# KiCad board 100p-keebored_OLD.kicad_pcb (continued)
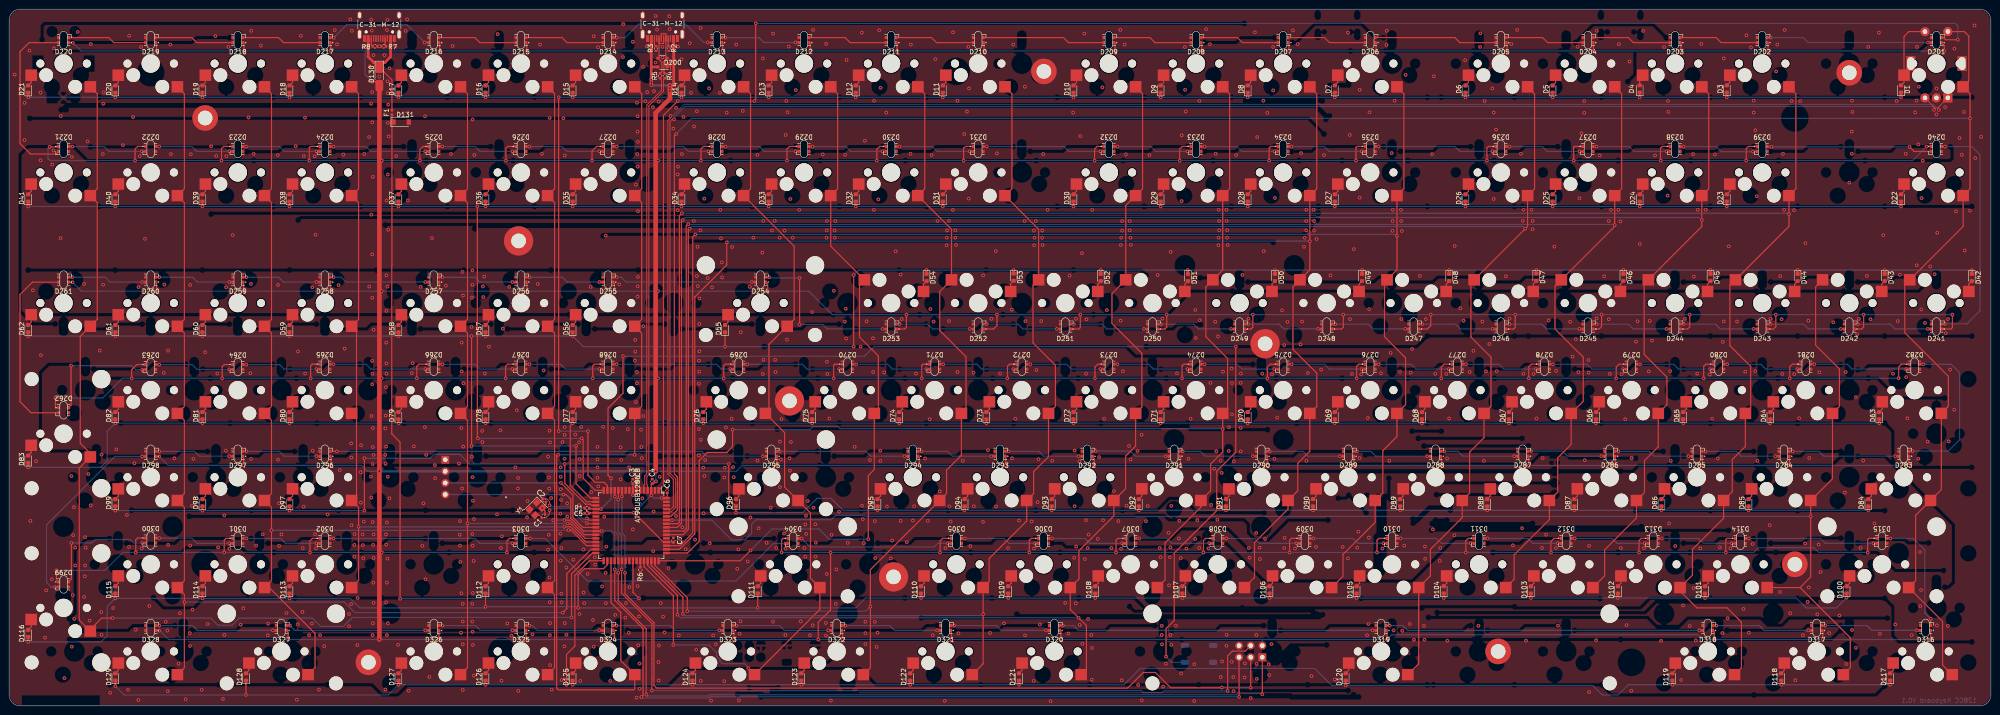
[diagram p0: board, top side]
## Placement (name value [footprint] x y rotation side) (continued)
SW127  SW_Push  [MXOnly-1U-Hotswap]  92.86 11.91 0 bottom
SW128  SW_Push  [MXOnly-2U-Hotswap]  59.53 11.91 0 bottom
SW129  SW_Push  [MXOnly-1U-Hotswap]  30.95 11.91 0 bottom
SW130  RotaryEncoder_Switch  [RotaryEncoder_Alps_EC11E-Switch_Vertical_H20mm]  421.45 140.48 90 bottom
Y1  JYJE 3TJ480000JYLBC  [Crystal_SMD_3225-4Pin_3.2x2.5mm]  115.18 43.08 225 top

## Footprints (pads in the part's own frame, mm; a bottom-side part is the same pattern mirrored in y, then rotated)
C_0402_1005Metric
  rrect 0.56x0.62 smd: 1(-0.48,0) 2(0.48,0)
Crystal_SMD_3225-4Pin_3.2x2.5mm
  rect 1.4x1.2 smd: 1(-1.1,-0.85) 2(1.1,-0.85) 3(1.1,0.85) 4(-1.1,0.85)
D_0603_1608Metric
  rrect 0.875x0.95 smd: 1(-0.787,0) 2(0.787,0)
D_0603_1608Metric#2
  rrect 2.5x1.7 smd: 1(-2,0) 2(2,0)
D_SOD-123
  rect 0.9x1.2 smd: 1(-1.65,0) 2(1.65,0)
Fuse_0402_1005Metric
  rrect 0.59x0.64 smd: 1(-0.485,0) 2(0.485,0)
MountingHole_3.2mm_M3_DIN965_Pad
  round 5.6 hole 3.2: 1(0,0)
MountingHole_3.2mm_M3_Pad
  round 6.4 hole 3.2: 1(0,0)
MXOnly-1.5U-Hotswap
  round 1.75 hole 1.75 unplated: (-5.08,0) (5.08,0)
  round 3 hole 3 unplated: (-3.81,2.54) (2.54,5.08)
  round 3.988 hole 3.988 unplated: (0,0)
  rect 2.55x2.5 smd far side: 1(-7.085,2.54) 2(5.842,5.08)
MXOnly-1.25U-Hotswap
  round 1.75 hole 1.75 unplated: (-5.08,0) (5.08,0)
  round 3 hole 3 unplated: (-3.81,2.54) (2.54,5.08)
  round 3.988 hole 3.988 unplated: (0,0)
  rect 2.55x2.5 smd far side: 1(-7.085,2.54) 2(5.842,5.08)
MXOnly-1.75U-Hotswap
  round 1.75 hole 1.75 unplated: (-5.08,0) (5.08,0)
  round 3 hole 3 unplated: (-3.81,2.54) (2.54,5.08)
  round 3.988 hole 3.988 unplated: (0,0)
  rect 2.55x2.5 smd far side: 1(-7.085,2.54) 2(5.842,5.08)
MXOnly-1U-Hotswap
  round 1.75 hole 1.75 unplated: (-5.08,0) (5.08,0)
  round 3 hole 3 unplated: (-3.81,2.54) (2.54,5.08)
  round 3.988 hole 3.988 unplated: (0,0)
  rect 2.55x2.5 smd far side: 1(-7.085,2.54) 2(5.842,5.08)
MXOnly-2.25U-Hotswap
  round 3.988 hole 3.988 unplated: (-11.938,-8.255) (0,0) (11.938,-8.255)
  round 3.048 hole 3.048 unplated: (-11.938,6.985) (11.938,6.985)
  round 1.75 hole 1.75 unplated: (-5.08,0) (5.08,0)
  round 3 hole 3 unplated: (-3.81,2.54) (2.54,5.08)
  rect 2.55x2.5 smd far side: 1(-7.085,2.54) 2(5.842,5.08)
MXOnly-2.75U-Hotswap
  round 3.988 hole 3.988 unplated: (-11.938,-8.255) (0,0) (11.938,-8.255)
  round 3.048 hole 3.048 unplated: (-11.938,6.985) (11.938,6.985)
  round 1.75 hole 1.75 unplated: (-5.08,0) (5.08,0)
  round 3 hole 3 unplated: (-3.81,2.54) (2.54,5.08)
  rect 2.55x2.5 smd far side: 1(-7.085,2.54) 2(5.842,5.08)
MXOnly-2U-Hotswap
  round 3.988 hole 3.988 unplated: (-11.938,-8.255) (0,0) (11.938,-8.255)
  round 3.048 hole 3.048 unplated: (-11.938,6.985) (11.938,6.985)
  round 1.75 hole 1.75 unplated: (-5.08,0) (5.08,0)
  round 3 hole 3 unplated: (-3.81,2.54) (2.54,5.08)
  rect 2.55x2.5 smd far side: 1(-7.085,2.54) 2(5.842,5.08)
MXOnly-2U-Hotswap-VerticalStabilizers
  round 3.048 hole 3.048 unplated: (-6.985,-11.938) (-6.985,11.938)
  round 1.75 hole 1.75 unplated: (-5.08,0) (5.08,0)
  round 3 hole 3 unplated: (-3.81,2.54) (2.54,5.08)
  round 3.988 hole 3.988 unplated: (0,0) (8.255,-11.938) (8.255,11.938)
  rect 2.55x2.5 smd far side: 1(-7.085,2.54) 2(5.842,5.08)
MXOnly-6.25U-Hotswap
  round 3.988 hole 3.988 unplated: (-50,-8.255) (0,0) (50,-8.255)
  round 3.048 hole 3.048 unplated: (-50,6.985) (50,6.985)
  round 1.75 hole 1.75 unplated: (-5.08,0) (5.08,0)
  round 3 hole 3 unplated: (-3.81,2.54) (2.54,5.08)
  rect 2.55x2.5 smd far side: 1(-7.085,2.54) 2(5.842,5.08)
PinHeader_2x03_P2.54mm_Vertical
  rect 1.7x1.7 hole 1: 1(0,0)
  oval 1.7x1.7 hole 1: 2(2.54,0) 3(0,-2.54) 4(2.54,-2.54) 5(0,-5.08) 6(2.54,-5.08)
R_0402_1005Metric
  rrect 0.54x0.64 smd: 1(-0.51,0) 2(0.51,0)
RotaryEncoder_Alps_EC11E-Switch_Vertical_H20mm
  rect 2x2 hole 1: A(-7.5,2.5)
  round 2 hole 1: B(-7.5,-2.5) C(-7.5,0) S1(7,-2.5) S2(7,2.5)
  rect 3.2x2 hole 2.8x1.5: MP(0,-5.6) MP(0,5.6)
SOT-143
  rect 0.7x1 smd: 1(-1,0.75)
  rect 0.7x0.6 smd: 2(-1,-0.95) 3(1,-0.95) 4(1,0.95)
SSD1306 128x32
  rect 1.7x1.7 hole 1: 1(0,-3.81)
  round 1.7 hole 1: 2(0,-1.27) 3(0,1.27) 4(0,3.81)
SW_Alps_SKQGAKE010
  rrect 1.8x1.1 smd: 1(-3.1,1.85) 2(3.1,1.85) 3(-3.1,-1.85) 4(3.1,-1.85)
TQFP-64_14x14mm_P0.8mm
  rect 1.5x0.55 smd: 1(-7.7,6) 2(-7.7,5.2) 3(-7.7,4.4) 4(-7.7,3.6) 5(-7.7,2.8) 6(-7.7,2) 7(-7.7,1.2) 8(-7.7,0.4) 9(-7.7,-0.4) 10(-7.7,-1.2) 11(-7.7,-2) 12(-7.7,-2.8) 13(-7.7,-3.6) 14(-7.7,-4.4) 15(-7.7,-5.2) 16(-7.7,-6) 33(7.7,-6) 34(7.7,-5.2) 35(7.7,-4.4) 36(7.7,-3.6) 37(7.7,-2.8) 38(7.7,-2) 39(7.7,-1.2) 40(7.7,-0.4) 41(7.7,0.4) 42(7.7,1.2) 43(7.7,2) 44(7.7,2.8) 45(7.7,3.6) 46(7.7,4.4) 47(7.7,5.2) 48(7.7,6)
  rect 0.55x1.5 smd: 17(-6,-7.7) 18(-5.2,-7.7) 19(-4.4,-7.7) 20(-3.6,-7.7) 21(-2.8,-7.7) 22(-2,-7.7) 23(-1.2,-7.7) 24(-0.4,-7.7) 25(0.4,-7.7) 26(1.2,-7.7) 27(2,-7.7) 28(2.8,-7.7) 29(3.6,-7.7) 30(4.4,-7.7) 31(5.2,-7.7) 32(6,-7.7) 49(6,7.7) 50(5.2,7.7) 51(4.4,7.7) 52(3.6,7.7) 53(2.8,7.7) 54(2,7.7) 55(1.2,7.7) 56(0.4,7.7) 57(-0.4,7.7) 58(-1.2,7.7) 59(-2,7.7) 60(-2.8,7.7) 61(-3.6,7.7) 62(-4.4,7.7) 63(-5.2,7.7) 64(-6,7.7)
USB_C_Receptacle_HRO_TYPE-C-31-M-12
  round 0.65 hole 0.65 unplated: (-2.89,2.6) (2.89,2.6)
  rect 0.6x1.45 smd: A1(-3.25,4.045) A4(-2.45,4.045) A9(2.45,4.045) A12(3.25,4.045) B1(3.25,4.045) B4(2.45,4.045) B9(-2.45,4.045) B12(-3.25,4.045)
  rect 0.3x1.45 smd: A5(-1.25,4.045) A6(-0.25,4.045) A7(0.25,4.045) A8(1.25,4.045) B5(1.75,4.045) B6(0.75,4.045) B7(-0.75,4.045) B8(-1.75,4.045)
  oval 1x2.1 hole 0.6x1.7: S1(-4.32,3.13) S1(4.32,3.13)
  oval 1x1.6 hole 0.6x1.2: S1(-4.32,-1.05) S1(4.32,-1.05)
WS2812B-2020 ShineThrough
  rrect 0.6x0.7 smd: 1(1.125,-0.55) 2(-1.125,-0.55) 3(-1.125,0.55) 4(1.125,0.55)

## Nets
+5V: AT90USB1286.3 AT90USB1286.8 AT90USB1286.21 AT90USB1286.52 AT90USB1286.64 C3.1 C4.1 C5.1 C6.1 C7.1 D130.2 D200.4 D201.1 D202.1 D203.1 D204.1 D205.1 D206.1 D207.1 D208.1 D209.1 D210.1 D211.1 D212.1 D213.1 D214.1 D215.1 D216.1 D217.1 D218.1 D219.1 D220.1 D221.1 D222.1 D223.1 D224.1 D225.1 D226.1 D227.1 D228.1 D229.1 D230.1 D231.1 D232.1 D233.1 D234.1 D235.1 D236.1 D237.1 D238.1 D239.1 D240.1 D241.1 D242.1 D243.1 D244.1 D245.1 D246.1 D247.1 D248.1 D249.1 D250.1 D251.1 D252.1 D253.1 D254.1 D255.1 D256.1 D257.1 D258.1 D259.1 D260.1 D261.1 D262.1 D263.1 D264.1 D265.1 D266.1 D267.1 D268.1 D269.1 D270.1 D271.1 D272.1 D273.1 D274.1 D275.1 D276.1 D277.1 D278.1 D279.1 D280.1 D281.1 D282.1 D283.1 D284.1 D285.1 D286.1 D287.1 D288.1 D289.1 D290.1 D291.1 D292.1 D293.1 D294.1 D295.1 D296.1 D297.1 D298.1 D299.1 D300.1 D301.1 D302.1 D303.1 D304.1 D305.1 D306.1 D307.1 D308.1 D309.1 D310.1 D311.1 D312.1 D313.1 D314.1 D315.1 D316.1 D317.1 D318.1 D319.1 D320.1 D321.1 D322.1 D323.1 D324.1 D325.1 D326.1 D327.1 D328.1 ISP.2 J2.A4 J2.A9 J2.B4 J2.B9 OLED.2 R1.1
GND: AT90USB1286.6 AT90USB1286.22 AT90USB1286.53 AT90USB1286.63 C1.1 C2.1 C3.2 C4.2 C5.2 C6.2 C7.2 C8.2 C-31-M-12.A1 C-31-M-12.A12 C-31-M-12.B1 C-31-M-12.B12 D131.2 D200.1 D201.3 D202.3 D203.3 D204.3 D205.3 D206.3 D207.3 D208.3 D209.3 D210.3 D211.3 D212.3 D213.3 D214.3 D215.3 D216.3 D217.3 D218.3 D219.3 D220.3 D221.3 D222.3 D223.3 D224.3 D225.3 D226.3 D227.3 D228.3 D229.3 D230.3 D231.3 D232.3 D233.3 D234.3 D235.3 D236.3 D237.3 D238.3 D239.3 D240.3 D241.3 D242.3 D243.3 D244.3 D245.3 D246.3 D247.3 D248.3 D249.3 D250.3 D251.3 D252.3 D253.3 D254.3 D255.3 D256.3 D257.3 D258.3 D259.3 D260.3 D261.3 D262.3 D263.3 D264.3 D265.3 D266.3 D267.3 D268.3 D269.3 D270.3 D271.3 D272.3 D273.3 D274.3 D275.3 D276.3 D277.3 D278.3 D279.3 D280.3 D281.3 D282.3 D283.3 D284.3 D285.3 D286.3 D287.3 D288.3 D289.3 D290.3 D291.3 D292.3 D293.3 D294.3 D295.3 D296.3 D297.3 D298.3 D299.3 D300.3 D301.3 D302.3 D303.3 D304.3 D305.3 D306.3 D307.3 D308.3 D309.3 D310.3 D311.3 D312.3 D313.3 D314.3 D315.3 D316.3 D317.3 D318.3 D319.3 D320.3 D321.3 D322.3 D323.3 D324.3 D325.3 D326.3 D327.3 D328.3 ISP.6 J2.A1 J2.A12 J2.B1 J2.B12 OLED.1 R2.2 R3.2 R6.1 R7.2 R8.2 RESET.1 RESET.2 SW130.C Y1.2 Y1.4
/xtal+: AT90USB1286.24 C1.2 Y1.3
/xtal-: AT90USB1286.23 C2.2 Y1.1
Col1: AT90USB1286.59 SW1.2 SW22.2 SW42.2 SW63.2 SW84.2 SW100.2 SW117.2 SW130.S2
Col2: AT90USB1286.58 SW43.2 SW64.2 SW85.2 SW101.2 SW118.2
Col3: AT90USB1286.57 SW3.2 SW23.2 SW44.2 SW65.2 SW86.2 SW102.2 SW119.2
Col4: AT90USB1286.56 SW4.2 SW24.2 SW45.2 SW66.2 SW87.2 SW103.2
Col5: AT90USB1286.55 SW5.2 SW25.2 SW46.2 SW67.2 SW88.2 SW104.2
Col6: AT90USB1286.54 SW6.2 SW26.2 SW47.2 SW68.2 SW89.2 SW105.2 SW120.2
Col7: AT90USB1286.51 SW7.2 SW27.2 SW48.2 SW69.2 SW90.2 SW106.2
Col8: AT90USB1286.50 SW8.2 SW28.2 SW49.2 SW70.2 SW91.2 SW107.2
Col9: AT90USB1286.49 SW9.2 SW29.2 SW50.2 SW71.2 SW92.2 SW108.2
Col10: AT90USB1286.45 SW10.2 SW30.2 SW51.2 SW72.2 SW93.2 SW109.2 SW121.2
Col11: AT90USB1286.46 SW11.2 SW31.2 SW52.2 SW73.2 SW94.2 SW110.2 SW122.2
Col12: AT90USB1286.47 SW12.2 SW32.2 SW53.2 SW74.2 SW95.2 SW123.2
Col13: AT90USB1286.48 SW13.2 SW33.2 SW54.2 SW75.2
Col14: AT90USB1286.44 SW14.2 SW34.2 SW55.2 SW76.2 SW96.2 SW111.2 SW124.2
Col15: AT90USB1286.35 SW15.2 SW35.2 SW56.2 SW77.2 SW125.2
Col16: AT90USB1286.27 SW16.2 SW36.2 SW57.2 SW78.2 SW112.2 SW126.2
Col17: AT90USB1286.28 SW17.2 SW37.2 SW58.2 SW79.2 SW127.2
Col18: AT90USB1286.29 SW18.2 SW38.2 SW59.2 SW80.2 SW97.2 SW113.2
Col19: AT90USB1286.30 SW19.2 SW39.2 SW60.2 SW81.2 SW98.2 SW114.2 SW128.2
Col20: AT90USB1286.31 SW20.2 SW40.2 SW61.2 SW82.2 SW99.2 SW115.2 SW129.2
Col21: AT90USB1286.32 SW21.2 SW41.2 SW62.2 SW83.2 SW116.2
D+: AT90USB1286.5 R5.2
D-: AT90USB1286.4 R4.2
enc+: AT90USB1286.61 SW130.A
enc-: AT90USB1286.60 SW130.B
extraUSBSense: AT90USB1286.41 D131.1 F1.1
LED Input: AT90USB1286.1 D201.4
MISO: AT90USB1286.13 ISP.1
MOSI: AT90USB1286.12 ISP.4
RESET: AT90USB1286.20 R1.2 RESET.4
Row1: AT90USB1286.15 D1.1 D3.1 D4.1 D5.1 D6.1 D7.1 D8.1 D9.1 D10.1 D11.1 D12.1 D13.1 D14.1 D15.1 D16.1 D17.1 D18.1 D19.1 D20.1 D21.1
Row2: AT90USB1286.16 D22.1 D23.1 D24.1 D25.1 D26.1 D27.1 D28.1 D29.1 D30.1 D31.1 D32.1 D33.1 D34.1 D35.1 D36.1 D37.1 D38.1 D39.1 D40.1 D41.1
Row3: AT90USB1286.17 D42.1 D43.1 D44.1 D45.1 D46.1 D47.1 D48.1 D49.1 D50.1 D51.1 D52.1 D53.1 D54.1 D55.1 D56.1 D57.1 D58.1 D59.1 D60.1 D61.1 D62.1
Row4: AT90USB1286.18 D63.1 D64.1 D65.1 D66.1 D67.1 D68.1 D69.1 D70.1 D71.1 D72.1 D73.1 D74.1 D75.1 D76.1 D77.1 D78.1 D79.1 D80.1 D81.1 D82.1 D83.1
Row5: AT90USB1286.19 D84.1 D85.1 D86.1 D87.1 D88.1 D89.1 D90.1 D91.1 D92.1 D93.1 D94.1 D95.1 D96.1 D97.1 D98.1 D99.1
Row6: AT90USB1286.34 D100.1 D101.1 D102.1 D103.1 D104.1 D105.1 D106.1 D107.1 D108.1 D109.1 D110.1 D111.1 D112.1 D113.1 D114.1 D115.1 D116.1
Row7: AT90USB1286.33 D117.1 D118.1 D119.1 D120.1 D121.1 D122.1 D123.1 D124.1 D125.1 D126.1 D127.1 D128.1 D129.1
SCK: AT90USB1286.11 ISP.3
SCL: AT90USB1286.25 OLED.3
SDA: AT90USB1286.26 ISP.5 OLED.4
sw1Out: D1.2 SW1.1 SW130.S1
Net-(C8-Pad1): AT90USB1286.7 C8.1
Net-(D3-Pad2): D3.2 SW3.1
Net-(D4-Pad2): D4.2 SW4.1
Net-(D5-Pad2): D5.2 SW5.1
Net-(D6-Pad2): D6.2 SW6.1
Net-(D7-Pad2): D7.2 SW7.1
Net-(D8-Pad2): D8.2 SW8.1
Net-(D9-Pad2): D9.2 SW9.1
Net-(D10-Pad2): D10.2 SW10.1
Net-(D11-Pad2): D11.2 SW11.1
Net-(D12-Pad2): D12.2 SW12.1
Net-(D13-Pad2): D13.2 SW13.1
Net-(D14-Pad2): D14.2 SW14.1
Net-(D15-Pad2): D15.2 SW15.1
Net-(D16-Pad2): D16.2 SW16.1
Net-(D17-Pad2): D17.2 SW17.1
Net-(D18-Pad2): D18.2 SW18.1
Net-(D19-Pad2): D19.2 SW19.1
Net-(D20-Pad2): D20.2 SW20.1
Net-(D21-Pad2): D21.2 SW21.1
Net-(D22-Pad2): D22.2 SW22.1
Net-(D23-Pad2): D23.2 SW23.1
Net-(D24-Pad2): D24.2 SW24.1
Net-(D25-Pad2): D25.2 SW25.1
Net-(D26-Pad2): D26.2 SW26.1
Net-(D27-Pad2): D27.2 SW27.1
Net-(D28-Pad2): D28.2 SW28.1
Net-(D29-Pad2): D29.2 SW29.1
Net-(D30-Pad2): D30.2 SW30.1
Net-(D31-Pad2): D31.2 SW31.1
Net-(D32-Pad2): D32.2 SW32.1
Net-(D33-Pad2): D33.2 SW33.1
Net-(D34-Pad2): D34.2 SW34.1
Net-(D35-Pad2): D35.2 SW35.1
Net-(D36-Pad2): D36.2 SW36.1
Net-(D37-Pad2): D37.2 SW37.1
Net-(D38-Pad2): D38.2 SW38.1
Net-(D39-Pad2): D39.2 SW39.1
Net-(D40-Pad2): D40.2 SW40.1
Net-(D41-Pad2): D41.2 SW41.1
Net-(D42-Pad2): D42.2 SW42.1
Net-(D43-Pad2): D43.2 SW43.1
Net-(D44-Pad2): D44.2 SW44.1
Net-(D45-Pad2): D45.2 SW45.1
Net-(D46-Pad2): D46.2 SW46.1
Net-(D47-Pad2): D47.2 SW47.1
Net-(D48-Pad2): D48.2 SW48.1
Net-(D49-Pad2): D49.2 SW49.1
Net-(D50-Pad2): D50.2 SW50.1
Net-(D51-Pad2): D51.2 SW51.1
Net-(D52-Pad2): D52.2 SW52.1
Net-(D53-Pad2): D53.2 SW53.1
Net-(D54-Pad2): D54.2 SW54.1
Net-(D55-Pad2): D55.2 SW55.1
Net-(D56-Pad2): D56.2 SW56.1
Net-(D57-Pad2): D57.2 SW57.1
Net-(D58-Pad2): D58.2 SW58.1
Net-(D59-Pad2): D59.2 SW59.1
Net-(D60-Pad2): D60.2 SW60.1
Net-(D61-Pad2): D61.2 SW61.1
Net-(D62-Pad2): D62.2 SW62.1
Net-(D63-Pad2): D63.2 SW63.1
Net-(D64-Pad2): D64.2 SW64.1
Net-(D65-Pad2): D65.2 SW65.1
Net-(D66-Pad2): D66.2 SW66.1
Net-(D67-Pad2): D67.2 SW67.1
Net-(D68-Pad2): D68.2 SW68.1
Net-(D69-Pad2): D69.2 SW69.1
Net-(D70-Pad2): D70.2 SW70.1
Net-(D71-Pad2): D71.2 SW71.1
Net-(D72-Pad2): D72.2 SW72.1
Net-(D73-Pad2): D73.2 SW73.1
Net-(D74-Pad2): D74.2 SW74.1
Net-(D75-Pad2): D75.2 SW75.1
Net-(D76-Pad2): D76.2 SW76.1
Net-(D77-Pad2): D77.2 SW77.1
Net-(D78-Pad2): D78.2 SW78.1
Net-(D79-Pad2): D79.2 SW79.1
Net-(D80-Pad2): D80.2 SW80.1
Net-(D81-Pad2): D81.2 SW81.1
Net-(D82-Pad2): D82.2 SW82.1
Net-(D83-Pad2): D83.2 SW83.1
Net-(D84-Pad2): D84.2 SW84.1
Net-(D85-Pad2): D85.2 SW85.1
Net-(D86-Pad2): D86.2 SW86.1
Net-(D87-Pad2): D87.2 SW87.1
Net-(D88-Pad2): D88.2 SW88.1
Net-(D89-Pad2): D89.2 SW89.1
Net-(D90-Pad2): D90.2 SW90.1
Net-(D91-Pad2): D91.2 SW91.1
Net-(D92-Pad2): D92.2 SW92.1
Net-(D93-Pad2): D93.2 SW93.1
Net-(D94-Pad2): D94.2 SW94.1
Net-(D95-Pad2): D95.2 SW95.1
Net-(D96-Pad2): D96.2 SW96.1
Net-(D97-Pad2): D97.2 SW97.1
Net-(D98-Pad2): D98.2 SW98.1
Net-(D99-Pad2): D99.2 SW99.1
Net-(D100-Pad2): D100.2 SW100.1
Net-(D101-Pad2): D101.2 SW101.1
Net-(D102-Pad2): D102.2 SW102.1
Net-(D103-Pad2): D103.2 SW103.1
Net-(D104-Pad2): D104.2 SW104.1
Net-(D105-Pad2): D105.2 SW105.1
Net-(D106-Pad2): D106.2 SW106.1
Net-(D107-Pad2): D107.2 SW107.1
Net-(D108-Pad2): D108.2 SW108.1
Net-(D109-Pad2): D109.2 SW109.1
Net-(D110-Pad2): D110.2 SW110.1
Net-(D111-Pad2): D111.2 SW111.1
Net-(D112-Pad2): D112.2 SW112.1
Net-(D113-Pad2): D113.2 SW113.1
Net-(D114-Pad2): D114.2 SW114.1
Net-(D115-Pad2): D115.2 SW115.1
Net-(D116-Pad2): D116.2 SW116.1
Net-(D117-Pad2): D117.2 SW117.1
Net-(D118-Pad2): D118.2 SW118.1
Net-(D119-Pad2): D119.2 SW119.1
Net-(D120-Pad2): D120.2 SW120.1
Net-(D121-Pad2): D121.2 SW121.1
Net-(D122-Pad2): D122.2 SW122.1
Net-(D123-Pad2): D123.2 SW123.1
Net-(D124-Pad2): D124.2 SW124.1
Net-(D125-Pad2): D125.2 SW125.1
Net-(D126-Pad2): D126.2 SW126.1
Net-(D127-Pad2): D127.2 SW127.1
Net-(D128-Pad2): D128.2 SW128.1
Net-(D129-Pad2): D129.2 SW129.1
Net-(D130-Pad1): D130.1 F1.2
Net-(D200-Pad2): D200.2 J2.A7 J2.B7 R4.1
Net-(D200-Pad3): D200.3 J2.A6 J2.B6 R5.1
Net-(D201-Pad2): D201.2 D202.4
Net-(D202-Pad2): D202.2 D203.4
Net-(D203-Pad2): D203.2 D204.4
Net-(D204-Pad2): D204.2 D205.4
Net-(D205-Pad2): D205.2 D206.4
Net-(D206-Pad2): D206.2 D207.4
Net-(D207-Pad2): D207.2 D208.4
Net-(D208-Pad2): D208.2 D209.4
Net-(D209-Pad2): D209.2 D210.4
Net-(D210-Pad2): D210.2 D211.4
Net-(D211-Pad2): D211.2 D212.4
Net-(D212-Pad2): D212.2 D213.4
Net-(D213-Pad2): D213.2 D214.4
Net-(D214-Pad2): D214.2 D215.4
Net-(D215-Pad2): D215.2 D216.4
Net-(D216-Pad2): D216.2 D217.4
Net-(D217-Pad2): D217.2 D218.4
Net-(D218-Pad2): D218.2 D219.4
Net-(D219-Pad2): D219.2 D220.4
Net-(D220-Pad2): D220.2 D221.4
Net-(D221-Pad2): D221.2 D222.4
Net-(D222-Pad2): D222.2 D223.4
Net-(D223-Pad2): D223.2 D224.4
Net-(D224-Pad2): D224.2 D225.4
Net-(D225-Pad2): D225.2 D226.4
Net-(D226-Pad2): D226.2 D227.4
Net-(D227-Pad2): D227.2 D228.4
Net-(D228-Pad2): D228.2 D229.4
Net-(D229-Pad2): D229.2 D230.4
Net-(D230-Pad2): D230.2 D231.4
Net-(D231-Pad2): D231.2 D232.4
Net-(D232-Pad2): D232.2 D233.4
Net-(D233-Pad2): D233.2 D234.4
Net-(D234-Pad2): D234.2 D235.4
Net-(D235-Pad2): D235.2 D236.4
Net-(D236-Pad2): D236.2 D237.4
Net-(D237-Pad2): D237.2 D238.4
Net-(D238-Pad2): D238.2 D239.4
Net-(D239-Pad2): D239.2 D240.4
Net-(D240-Pad2): D240.2 D241.4
Net-(D241-Pad2): D241.2 D242.4
Net-(D242-Pad2): D242.2 D243.4
Net-(D243-Pad2): D243.2 D244.4
Net-(D244-Pad2): D244.2 D245.4
Net-(D245-Pad2): D245.2 D246.4
Net-(D246-Pad2): D246.2 D247.4
Net-(D247-Pad2): D247.2 D248.4
Net-(D248-Pad2): D248.2 D249.4
Net-(D249-Pad2): D249.2 D250.4
Net-(D250-Pad2): D250.2 D251.4
Net-(D251-Pad2): D251.2 D252.4
Net-(D252-Pad2): D252.2 D253.4
Net-(D253-Pad2): D253.2 D254.4
Net-(D254-Pad2): D254.2 D255.4
Net-(D255-Pad2): D255.2 D256.4
Net-(D256-Pad2): D256.2 D257.4
Net-(D257-Pad2): D257.2 D258.4
Net-(D258-Pad2): D258.2 D259.4
Net-(D259-Pad2): D259.2 D260.4
Net-(D260-Pad2): D260.2 D261.4
Net-(D261-Pad2): D261.2 D262.4
Net-(D262-Pad2): D262.2 D263.4
Net-(D263-Pad2): D263.2 D264.4
Net-(D264-Pad2): D264.2 D265.4
Net-(D265-Pad2): D265.2 D266.4
Net-(D266-Pad2): D266.2 D267.4
Net-(D267-Pad2): D267.2 D268.4
Net-(D268-Pad2): D268.2 D269.4
Net-(D269-Pad2): D269.2 D270.4
Net-(D270-Pad2): D270.2 D271.4
Net-(D271-Pad2): D271.2 D272.4
Net-(D272-Pad2): D272.2 D273.4
Net-(D273-Pad2): D273.2 D274.4
Net-(D274-Pad2): D274.2 D275.4
Net-(D275-Pad2): D275.2 D276.4
Net-(D276-Pad2): D276.2 D277.4
Net-(D277-Pad2): D277.2 D278.4
Net-(D278-Pad2): D278.2 D279.4
Net-(D279-Pad2): D279.2 D280.4
Net-(D280-Pad2): D280.2 D281.4
Net-(D281-Pad2): D281.2 D282.4
Net-(D282-Pad2): D282.2 D283.4
Net-(D283-Pad2): D283.2 D284.4
Net-(D284-Pad2): D284.2 D285.4
Net-(D285-Pad2): D285.2 D286.4
Net-(D286-Pad2): D286.2 D287.4
Net-(D287-Pad2): D287.2 D288.4
Net-(D288-Pad2): D288.2 D289.4
Net-(D289-Pad2): D289.2 D290.4
Net-(D290-Pad2): D290.2 D291.4
Net-(D291-Pad2): D291.2 D292.4
Net-(D292-Pad2): D292.2 D293.4
Net-(D293-Pad2): D293.2 D294.4
Net-(D294-Pad2): D294.2 D295.4
Net-(D295-Pad2): D295.2 D296.4
Net-(D296-Pad2): D296.2 D297.4
Net-(D297-Pad2): D297.2 D298.4
Net-(D298-Pad2): D298.2 D299.4
Net-(D299-Pad2): D299.2 D300.4
Net-(D300-Pad2): D300.2 D301.4
Net-(D301-Pad2): D301.2 D302.4
Net-(D302-Pad2): D302.2 D303.4
Net-(D303-Pad2): D303.2 D304.4
Net-(D304-Pad2): D304.2 D305.4
Net-(D305-Pad2): D305.2 D306.4
Net-(D306-Pad2): D306.2 D307.4
Net-(D307-Pad2): D307.2 D308.4
Net-(D308-Pad2): D308.2 D309.4
Net-(D309-Pad2): D309.2 D310.4
Net-(D310-Pad2): D310.2 D311.4
Net-(D311-Pad2): D311.2 D312.4
Net-(D312-Pad2): D312.2 D313.4
Net-(D313-Pad2): D313.2 D314.4
Net-(D314-Pad2): D314.2 D315.4
Net-(D315-Pad2): D315.2 D316.4
Net-(D316-Pad2): D316.2 D317.4
Net-(D317-Pad2): D317.2 D318.4
Net-(D318-Pad2): D318.2 D319.4
Net-(D319-Pad2): D319.2 D320.4
Net-(D320-Pad2): D320.2 D321.4
Net-(D321-Pad2): D321.2 D322.4
Net-(D322-Pad2): D322.2 D323.4
Net-(D323-Pad2): D323.2 D324.4
Net-(D324-Pad2): D324.2 D325.4
Net-(D325-Pad2): D325.2 D326.4
Net-(D326-Pad2): D326.2 D327.4
Net-(D327-Pad2): D327.2 D328.4
Net-(D328-Pad2): D328.2
Net-(J2-PadA5): J2.A5 R2.1
Net-(J2-PadB5): J2.B5 R3.1
Net-(J3-PadA4): C-31-M-12.A4 C-31-M-12.A9 C-31-M-12.B4 C-31-M-12.B9
Net-(J3-PadA5): C-31-M-12.A5 R7.1
Net-(J3-PadB5): C-31-M-12.B5 R8.1
Net-(R6-Pad2): AT90USB1286.43 R6.2

Pads without a net: AT90USB1286 2 9 10 14 36 37 38 39 40 42 62; C-31-M-12 A6 A7 A8 B6 B7 B8 S1; J2 A8 B8 S1; REF** 1; REF**#2 1; REF**#3 1; REF**#4 1; REF**#5 1; REF**#6 1; REF**#7 1; REF**#8 1; REF**#9 1; REF**#10 1; RESET 3; SW130 MP

## Via types
v1: diameter 0.8, hole 0.4, Top to Bottom, 1851 vias

## Routing (per net, layer and track width the routed paths; a pad name or vN(x,y) marks a point on that pad's centre or on a via; arc(x,y) is an arc through that point)
+5V: length 3523
  Top w0.25: v1(253.14,85.57) 253.14,82.82 252.74,82.42 251.09,82.42 ; v1(310.88,85.57) 310.88,83.19 310.11,82.42 308.24,82.42 ; 241.57,145.07 241.83,144.81 v1(241.83,143.24) ; 293.95,54.59 294.07,54.47 v1(294.07,52.61) ; 48.93,74.66 47.06,74.66 46.58,74.19 v1(46.58,71.66) ; 244.18,36.64 242.46,36.64 242.05,36.24 v1(242.05,33.56) ; 263.23,36.64 261.65,36.64 261.18,36.16 v1(261.18,33.56) ; v1(237.37,119.28) 237.37,121.81 237.92,122.36 239.42,122.36 ; v1(275.54,119.28) 275.54,122.03 275.87,122.36 277.51,122.36 ; v1(406.42,33.56) 406.42,36.31 406.75,36.64 408.47,36.64 ; v1(142.68,45.44) 142.68,45.44 AT90USB1286.64 143.91,45.62 C6.1 ; v1(65.93,71.66) 65.93,74.41 66.26,74.74 67.98,74.74 ; 363.23,122.36 361.51,122.36 361.11,121.96 361.11,119.35 v1(361.18,119.28) ; v1(356.42,33.56) 356.42,36.16 356.9,36.64 358.47,36.64 ; v1(413.2,71.66) 413.2,74.11 413.82,74.74 415.62,74.74 ; 93.94,92.69 94.06,92.57 v1(94.06,90.71) ; 270.14,82.42 271.57,82.42 271.97,82.82 v1(271.97,85.57) ; 12.98,92.69 13.03,92.64 v1(13.84,92.64) ; v1(158.49,14.51) 158.49,16.23 158.23,16.49 ; D130.2 80.08,136.54 v1(79.39,136.54) ; 353.71,74.74 352.06,74.74 351.44,74.11 v1(351.44,71.66) ; 301.09,16.49 301.28,16.3 v1(301.28,14.51) ; 327.29,145.07 327.55,144.81 v1(327.55,143.24) ; 384.43,145.07 384.62,144.88 v1(384.62,143.24) ; v1(47.03,33.56) 47.03,36.24 47.43,36.64 48.93,36.64 ; 112.99,92.69 113.25,92.42 v1(113.25,90.71) ; 260.62,145.07 260.81,144.88 v1(260.81,143.24) ; v1(165.86,90.71) 165.86,92.2 165.37,92.69 ; 313,54.59 313.19,54.4 v1(313.19,52.61) ; 10.83,122.36 10.73,122.26 v1(8.86,122.26) ; 155.85,145.07 156.04,144.88 v1(156.04,143.24) ; v1(51.27,90.71) 51.27,92.5 51.08,92.69 ; v1(298.9,143.24) 298.9,144.88 298.71,145.07 ; 422.53,82.42 424.63,82.42 424.95,82.74 v1(424.95,85.57) ; 274.9,54.59 275.09,54.4 v1(275.09,52.61) ; 403.48,82.42 405.13,82.42 405.53,82.82 v1(405.53,85.57) ; v1(299.13,33.56) 299.13,36.24 299.53,36.64 301.33,36.64 ; v1(342.14,119.28) 342.14,122.18 342.31,122.36 344.19,122.36 ; 70.13,54.59 70.39,54.32 v1(70.39,52.61) ; v1(108.64,119.28) 108.64,121.96 109.04,122.36 110.84,122.36 ; AT90USB1286.21 129.36,42.24 ; AT90USB1286.21 128.27,42.19 ; AT90USB1286.21 129.6,42.24 129.62,42.26 v1(136.61,42.26) 143.03,35.84 AT90USB1286.52 145.17,35.84 C7.1 ; AT90USB1286.21 126.95,42.24 C5.1 126.83,42.24 R1.1 ; v1(256.49,71.66) 256.49,74.34 256.89,74.74 258.47,74.74 ; 110.84,36.64 109.41,36.64 108.86,36.09 v1(108.86,33.56) ; 10.83,27.12 10.35,27.6 v1(10.35,29.62) ; 48.93,122.36 46.91,122.36 46.43,121.88 v1(46.43,119.28) ; v1(140.41,46.06) 140.42,46.07 AT90USB1286.3 140.42,48.42 C4.1 140.98,48.63 v1(141.45,49.1) ; v1(280,33.56) 280,36.24 280.4,36.64 282.28,36.64 ; 32.03,145.07 32.22,144.88 v1(32.22,143.24) ; 167.75,54.59 167.87,54.47 v1(167.87,52.61) ; v1(127.47,119.28) 127.47,121.36 128.46,122.36 129.89,122.36 ; 255.85,54.59 256.12,54.32 v1(256.12,52.61) ; 239.42,74.74 238.07,74.74 237.44,74.11 v1(237.44,71.66) ; v1(375.4,33.56) 375.4,36.39 375.65,36.64 377.52,36.64 ; v1(26.79,71.66) 26.79,73.52 27.94,74.66 29.88,74.66 ; 212.99,82.42 215.24,82.42 216.01,83.19 v1(216.01,85.57) ; 315.61,74.74 313.81,74.74 313.19,74.11 v1(313.19,71.66) ; 10.83,65.21 10.32,65.21 10.12,65.41 v1(10.12,67.34) ; 172.75,122.36 170.67,122.36 170.1,121.79 v1(170.1,119.28) ; 277.51,74.74 275.79,74.74 275.17,74.11 v1(275.17,71.66) ; v1(132.38,14.51) 132.38,16.15 132.04,16.49 ; 339.42,36.64 337.85,36.64 337.15,35.94 v1(337.15,33.56) ; v1(294.51,119.28) 294.51,122.11 294.77,122.36 296.56,122.36 ; 212.99,145.07 213.18,144.88 v1(213.18,143.24) ; v1(415.43,52.61) 415.44,52.62 415.44,54.54 415.39,54.59 ; v1(89.81,119.28) 89.81,121.66 90.51,122.36 91.79,122.36 ; v1(113.18,143.24) 113.18,144.88 112.99,145.07 ; v1(132.38,90.71) 132.38,92.35 132.04,92.69 ; 182.04,16.49 182.23,16.3 v1(182.23,14.51) ; v1(32.82,54.54) 32.08,54.54 32.03,54.59 ; v1(323.16,119.28) 323.16,122.03 323.49,122.36 325.14,122.36 ; 110.84,74.74 109.04,74.74 108.57,74.26 v1(108.57,71.66) ; 93.94,145.07 94.13,144.88 v1(94.13,143.24) ; 346.34,82.42 347.69,82.42 348.24,82.97 v1(348.24,85.57) ; v1(370.26,52.61) 370.26,54.47 370.15,54.59 ; v1(294.66,71.66) 294.66,74.26 295.14,74.74 296.56,74.74 ; v1(346.45,143.24) 346.45,144.95 346.34,145.07 ; 220.37,74.74 218.79,74.74 218.32,74.26 v1(218.32,71.66) ; v1(279.85,143.24) 279.85,144.88 279.66,145.07 ; v1(217.95,52.61) 217.95,54.4 217.76,54.59 ; v1(65.63,119.28) 65.63,122.11 65.88,122.36 67.98,122.36 ; 182.27,74.74 180.55,74.74 180.3,74.48 v1(180.3,71.66) ; v1(223.08,33.56) 223.08,36.24 223.48,36.64 225.13,36.64 ; 334.66,74.74 332.86,74.74 332.31,74.19 v1(332.31,71.66) ; 191.8,122.36 190.37,122.36 189.75,121.73 v1(189.75,119.28) ; v1(291.76,85.57) 291.76,82.82 291.36,82.42 289.19,82.42 ; v1(379.86,119.28) 379.86,121.88 380.34,122.36 382.28,122.36 ; v1(13.92,145.02) 13.03,145.02 12.98,145.07 ; v1(230,14.51) 230,16.15 229.66,16.49 ; v1(420.19,14.51) 420.2,14.52 420.2,16.44 420.15,16.49 ; 365.38,145.07 365.57,144.88 v1(365.57,143.24) ; 174.9,145.07 175.16,144.81 v1(175.16,143.24) ; v1(423.17,143.24) 423.17,144.43 422.53,145.07 ; v1(168.91,33.56) 168.91,36.31 169.24,36.64 170.37,36.64 ; 93.94,16.49 93.99,16.44 93.99,14.52 v1(93.98,14.51) ; 32.03,92.69 32.22,92.5 v1(32.22,90.71) ; 158.46,74.74 156.66,74.74 156.26,74.34 v1(156.26,71.66) ; v1(151.28,119.28) 151.28,121.81 151.83,122.36 153.7,122.36 ; v1(65.78,33.56) 65.78,36.09 66.33,36.64 67.98,36.64 ; v1(396.6,14.51) 396.6,16.23 396.34,16.49 ; 327.29,82.42 328.99,82.42 329.34,82.76 v1(329.34,85.57) ; v1(176.94,14.51) 176.94,18.3 179.62,20.98 v1(179.62,33.56) ; 206.08,36.64 204.14,36.64 203.59,36.09 v1(203.59,33.56) ; v1(132.3,143.24) 132.3,144.81 132.04,145.07 ; 420.38,122.36 419.33,122.36 v1(419.3,122.33) ; v1(196.22,85.57) 196.22,82.82 195.82,82.42 193.95,82.42 ; 91.79,74.74 89.62,74.74 89.14,74.26 v1(89.14,71.66) ; v1(234.24,85.57) 234.24,82.74 233.92,82.42 232.04,82.42 ; 201.32,74.74 199.82,74.74 199.57,74.48 v1(199.57,71.66) ; 332.05,54.59 332.31,54.32 v1(332.31,52.61) ; 129.89,74.74 128.02,74.74 127.61,74.34 v1(127.61,71.66) ; 389.19,54.59 389.31,54.47 v1(389.31,52.61) ; v1(51.27,52.61) 51.27,54.4 51.08,54.59 ; 32.03,16.49 32.08,16.45 v1(32.82,16.45) ; v1(70.24,90.71) 70.24,92.57 70.13,92.69 ; 60.6,16.49 61.02,16.08 v1(61.02,14.51) ; 198.71,54.59 199.05,54.25 v1(199.05,52.61) ; 51.08,145.07 51.34,144.81 v1(51.34,143.24) ; v1(27.53,119.28) 27.53,121.81 28.08,122.36 29.88,122.36 ; v1(318.55,33.56) 318.55,36.09 319.1,36.64 320.37,36.64 ; 372.53,16.49 372.87,16.15 v1(372.87,14.51) ; C3.1 136.39,47.16 AT90USB1286.8 v1(136.42,46.1) ; 210.84,122.36 209.12,122.36 208.72,121.96 v1(208.72,119.28) ; v1(70.32,143.24) 70.32,144.88 70.13,145.07 ; v1(237.29,52.61) 237.29,54.1 236.81,54.59 ; 125.76,43.45 125.76,43.37 ; v1(206.04,14.51) 206.04,16.3 205.85,16.49 ; 193.95,145.07 194.14,144.88 v1(194.14,143.24) ; v1(27.68,33.56) 27.68,36.31 28.08,36.71 29.88,36.71 ; v1(386.33,85.57) 386.33,82.97 385.78,82.42 384.43,82.42 ; v1(389.38,71.66) 389.38,74.19 389.93,74.74 391.81,74.74 ; 365.38,82.42 367.03,82.42 367.51,82.89 v1(367.51,85.57) ; 372.76,74.74 371.03,74.74 370.56,74.26 v1(370.56,71.66) ; 351.1,54.59 351.21,54.47 v1(351.21,52.61) ; v1(255.97,119.28) 255.97,121.81 256.52,122.36 258.47,122.36 ; v1(113.03,14.51) 113.04,14.52 113.04,16.44 112.99,16.49
  Top w0.6: J2.A9 140.42,139.66 ; 140.42,139.66 v1(140.42,135.8) ; 140.42,139.66 140.52,139.76 D200.4 ; J2.A4 145.32,135.8 145.24,135.72 v1(144.5,135.72)
  Top w1: v1(144.5,135.72) 144.5,132.82 141.37,129.69 141.37,51.34 v1(141.41,51.3) ; v1(80.96,14.51) v1(80.96,51.34) D130.2
  Bottom w0.25: 77.83,143.24 77.83,138.1 v1(79.39,136.54) ; 77.83,143.24 v1(94.13,143.24) v1(113.18,143.24) v1(132.3,143.24) v1(140.04,143.24) v1(156.04,143.24) v1(175.16,143.24) v1(194.14,143.24) v1(213.18,143.24) v1(241.83,143.24) v1(260.81,143.24) v1(279.85,143.24) v1(298.9,143.24) v1(327.55,143.24) v1(346.45,143.24) v1(365.57,143.24) v1(384.62,143.24) v1(423.17,143.24) ; 77.83,143.24 v1(70.32,143.24) v1(51.34,143.24) v1(32.22,143.24) 15.7,143.24 v1(13.92,145.02) ; v1(10.35,29.62) 20.91,29.62 24.86,33.56 v1(27.68,33.56) v1(47.03,33.56) v1(65.78,33.56) v1(81.48,33.56) v1(108.86,33.56) ; v1(80.96,51.34) 80.93,51.3 78.32,51.3 77.02,52.61 v1(70.39,52.61) v1(51.27,52.61) 34.75,52.61 v1(32.82,54.54) ; v1(406.42,33.56) 395.71,33.56 394.67,34.6 382.54,34.6 381.5,33.56 v1(375.4,33.56) v1(356.42,33.56) v1(337.15,33.56) v1(318.55,33.56) v1(299.13,33.56) v1(280,33.56) v1(261.18,33.56) v1(242.05,33.56) v1(223.08,33.56) v1(203.59,33.56) v1(168.91,33.56) ; 274.05,14.51 v1(301.28,14.51) 302.32,15.55 369.29,15.55 370.33,14.51 372.86,14.51 v1(372.87,14.51) v1(396.6,14.51) v1(420.19,14.51) ; 274.05,14.51 274.04,14.5 ISP.2 ; 274.05,14.51 v1(230,14.51) v1(206.04,14.51) v1(182.23,14.51) v1(176.94,14.51) v1(158.49,14.51) v1(132.38,14.51) v1(113.03,14.51) v1(93.98,14.51) v1(80.96,14.51) v1(61.02,14.51) 34.92,14.51 32.98,16.45 v1(32.82,16.45) ; v1(142.68,45.44) 141.03,45.44 v1(140.41,46.06) 138.43,44.08 ; v1(8.86,122.26) 8.49,121.88 8.49,119.73 8.93,119.28 v1(27.53,119.28) v1(46.43,119.28) v1(65.63,119.28) v1(81.48,119.28) v1(89.81,119.28) v1(108.64,119.28) v1(127.47,119.28) v1(141.89,119.28) v1(151.28,119.28) v1(170.1,119.28) v1(189.75,119.28) v1(208.72,119.28) v1(237.37,119.28) v1(255.97,119.28) v1(275.54,119.28) v1(294.51,119.28) v1(323.16,119.28) v1(342.14,119.28) v1(361.18,119.28) v1(379.86,119.28) 416.25,119.28 v1(419.3,122.33) ; 138.43,44.08 v1(136.42,46.1) ; 138.43,44.08 v1(136.61,42.26) 136.59,42.24 ; v1(13.84,92.64) 15.78,90.71 v1(32.22,90.71) v1(51.27,90.71) v1(70.24,90.71) v1(81.48,90.71) v1(94.06,90.71) v1(113.25,90.71) v1(132.38,90.71) v1(141.89,90.71) v1(165.86,90.71) 174.86,90.71 180,85.57 v1(196.22,85.57) v1(216.01,85.57) v1(234.24,85.57) v1(253.14,85.57) v1(271.97,85.57) v1(291.76,85.57) v1(310.88,85.57) v1(329.34,85.57) v1(348.24,85.57) v1(367.51,85.57) v1(386.33,85.57) v1(405.53,85.57) v1(424.95,85.57) ; v1(413.2,71.66) v1(389.38,71.66) v1(370.56,71.66) v1(351.44,71.66) v1(332.31,71.66) v1(313.19,71.66) v1(294.66,71.66) v1(275.17,71.66) v1(256.49,71.66) v1(237.44,71.66) v1(218.32,71.66) v1(199.57,71.66) v1(180.3,71.66) v1(156.26,71.66) v1(141.89,71.66) v1(127.61,71.66) v1(108.57,71.66) v1(89.14,71.66) v1(81.48,71.66) v1(65.93,71.66) v1(46.58,71.66) v1(26.79,71.66) 24.78,71.66 20.46,67.34 v1(10.12,67.34) ; v1(141.45,49.1) 141.41,49.14 v1(141.41,51.3) 159.05,51.3 160.35,52.61 v1(167.87,52.61) v1(199.05,52.61) v1(217.95,52.61) v1(237.29,52.61) v1(256.12,52.61) v1(275.09,52.61) v1(294.07,52.61) v1(313.19,52.61) v1(332.31,52.61) v1(351.21,52.61) v1(370.26,52.61) v1(389.31,52.61) v1(415.43,52.61)
  Bottom w0.5: v1(80.96,51.34) 80.99,51.3 OLED.2 v1(141.41,51.3)
  Bottom w0.6: v1(144.5,134.51) v1(144.5,135.72) 140.5,135.72 v1(140.42,135.8) v1(140.42,137)
  vias: v1(140.42,136.39) v1(144.5,135.12)
